# Altium PCB Power_Board.PcbDoc (part 3 of 3)
Units mm, origin at the board's own origin, x right, y up, seen from the top; angles counter-clockwise.
Board outline 100 x 100 mm, 4 copper layers (Top Layer, Signal Layer 1, Signal Layer 2, Bottom Layer), stack 1.551 mm thick; 455 components, 242 nets, 1337 pads, 0 vias.
Unrouted connection lines stored in the file: 1041.
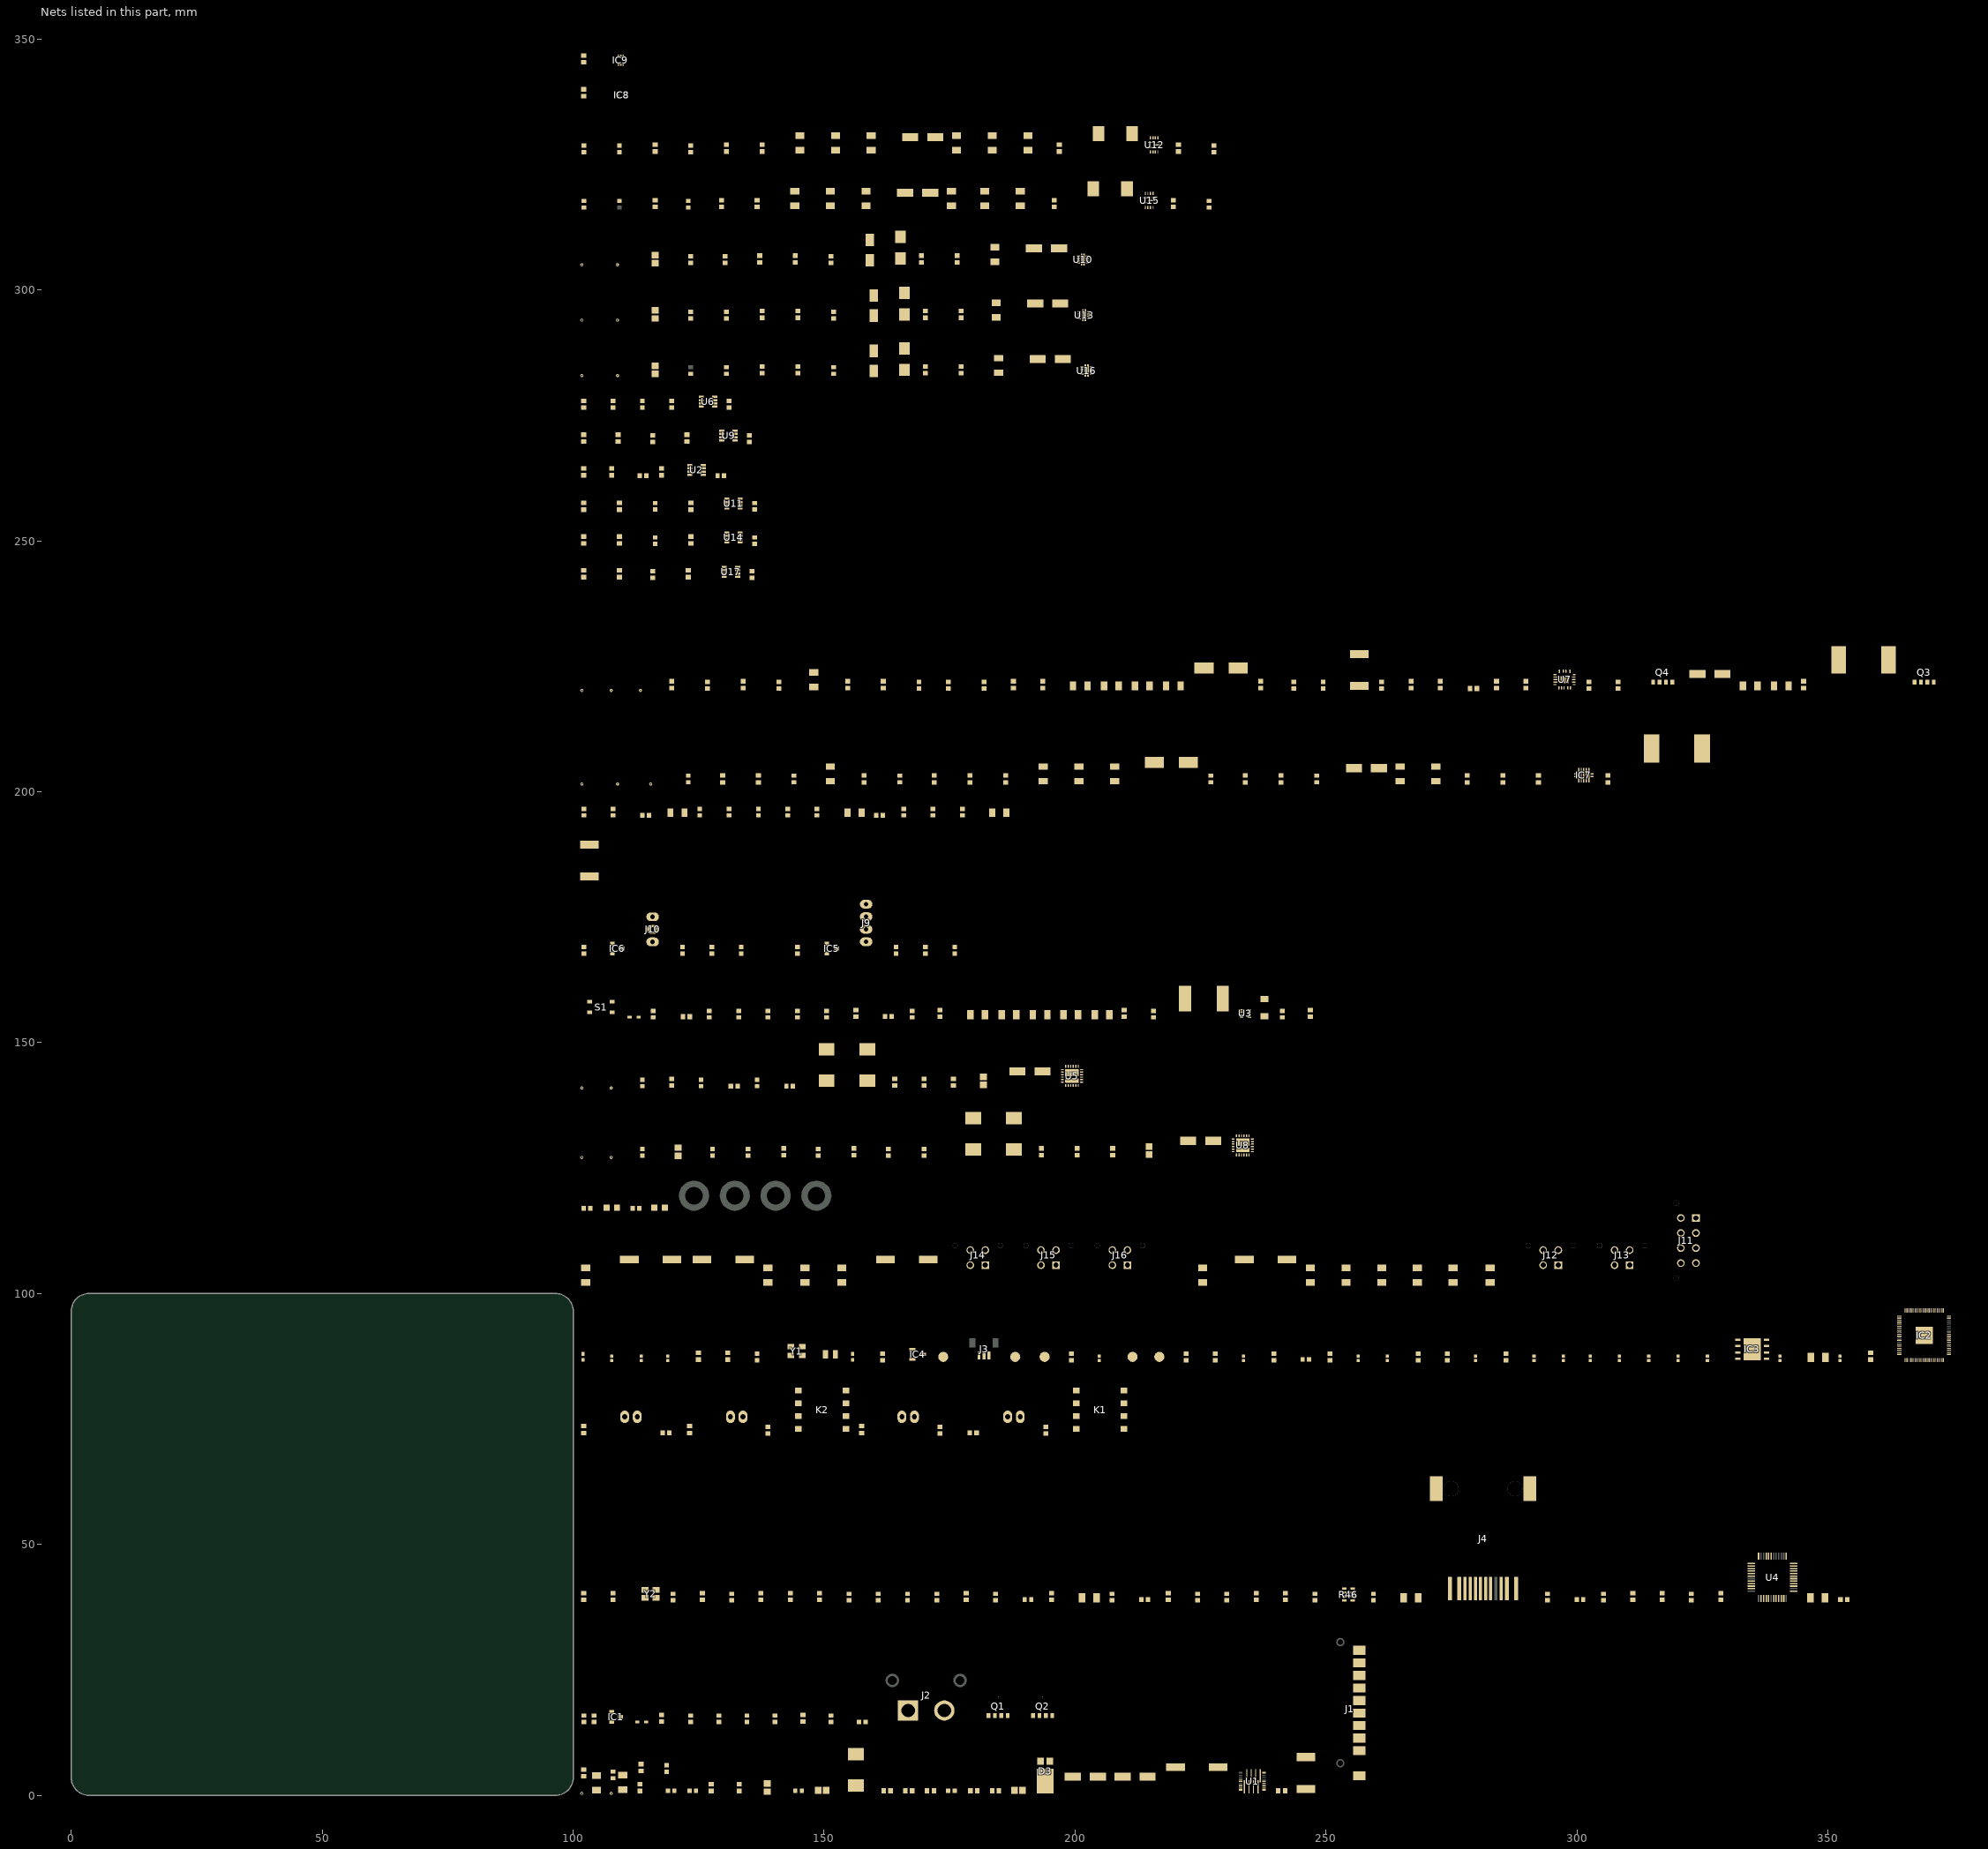
[diagram p3: the nets of this part, all layers, seen from the top]

## Nets (pads, with @x,y where several pads share a name; then routed paths per layer and width w, separated by ;. In a path a pad name is that pad's centre, name@x,y a point inside that pad or via, vN(x,y) a via of type N, cw(c..) or ccw(c..) an arc to the next point about the centre after c; other vN are vias at no path point) (continued)
3V3_VIO.VPG: IC2.13 R136.2 U15.3
3V3PO: C185.2 C186.1 D16.1 R91.2 R140.1 U16.6
3V3RO: C176.2 C177.2 C178.2 C179.2 C180.1 C183.2 C184.2 D15.2 L6.2 R90.1 R138.2 U16.5
3V3S_MEAS: C30.1 D6.2 IC2.52 R26.2
5V_VIO.FSPG: IC2.11 R130.2 U13.3
5V_VIO.VEN: IC2.8 R126.1 U12.11
5V_VIO.VPG: IC2.9 R127.2 U12.3
5VPO: C163.2 C164.1 D14.1 R85.2 R131.1 U13.6
5VRO: C154.2 C155.2 C156.2 C157.2 C158.1 C161.2 C162.2 D13.2 L5.2 R84.2 R129.2 U13.5
12V_VIO.FSPG: IC2.7 R121.2 U10.3
12V_VIO.VEN: IC2.6 IC7.4 R118.1
12VPO: C141.2 C142.1 D12.1 R80.2 R122.1 U10.6
12VRO: C127.2 C128.2 C129.2 C130.2 C131.2 C132.2 C133.1 C134.2 C139.2 C140.2 D11.2 IC7.9 R115.2 R120.2 U10.5
+3V3: C17.2 C18.1 C25.1 C26.2 C27.2 C28.2 C31.2 C32.1 C33.2 C34.2 C35.2 C36.2 C37.2 C38.2 C39.2 C40.2 C41.2 C42.2 C52.2 C54.1 C84.2 C85.1 C117.2 C118.1 C147.2 C148.1 C169.2 C170.1 C191.2 C192.1 C193.1 C194.1 FB1.1 IC2.5 IC2.15 IC2.24 IC2.29 IC2.41 IC2.50 IC2.60 IC2.64 IC2.68 IC2.69 IC2.76 IC3.8 IC5.2 IC6.2 IC8.4 IC8.5 IC9.5 J4.1 J4.12 L1.2 R20.2 R24.1 R27.1 R28.1 R29.1 R30.1 R32.1 R34.1 R35.1 R37.2 R38.2 R53.1 R54.2 R55.1 R63.1 R64.2 R68.1 R69.2 R74.1 R89.1 R106.1 R121.1 R127.1 R130.1 R136.1 R139.1 U2.4 U4.28 U6.4 U6.7 U9.4 U11.4 U11.7 U14.4 U17.4
+3V3A_ETH: C56.2 C57.1 C59.1 C62.1 C63.1 C65.1 C66.1 FB1.2 R41.2 R42.2 R43.2 U4.4 U4.8 U4.11 U4.15 U4.17 U4.21
+3V3R: C196.2 C199.2 C201.2 J11.4 J12.4 J13.4 R91.1 R141.1
+5VR: C197.2 C200.2 C202.2 J11.8 J12.3 J13.3 R85.1 R132.1
+12VR: C208.2 C209.2 J15.3 J15.4 R80.1 R123.1
ACT_LED: R49.2 U4.27
ADC_VREF: C48.2 C49.2 IC2.59 IC4.1 R37.1
BATT_BTN.BTN: C74.1 IC2.19 R64.1 R66.1
BATT_BTN.LED: IC2.20 R63.2 R65.2
BATT_BTN_AD: J9.1 R67.2
BATT_PRES: J1.4 J9.3 JP1.2
BCHG: C19.1 J2.2 Q1.3 R10.1
BCHG_MEAS: C20.1 D5.2 IC2.49 R12.2
BEFS_EN: IC2.79 R5.1 U1.18
BVBAT: C1.1 J1.8 J1.9 J1.10 R3.2 R8.1
CHG_EN: IC2.80 R16.2 R17.2
DBG_UART_RX: IC2.78 TP4.1
DBG_UART_TX: IC2.77 TP2.1
DVDD_1V1: C43.2 C44.2 C45.2 C47.2 IC2.10 IC2.32 IC2.51 IC2.65 L2.1
EN_PROT_3V3: C189.2 R92.2 R138.1 U16.1
EN_PROT_5V: C167.2 R86.1 R129.1 U13.1
EN_PROT_12V: C145.2 R81.1 R120.1 U10.1
FBUR_VREG_3V3: C176.1 R90.2 R134.2 U15.4
FBUR_VREG_5V: C154.1 R84.1 R125.2 U12.4
FLT_LED: IC2.18 R2.1
FS_GFLT: IC2.16 R89.2 U10.4 U13.4 U16.4
GND: C1.2 C8.2 C9.2 C10.2 C17.1 C18.2 C19.2 C20.2 C22.1 C23.1 C24.2 C25.2 C26.1 C27.1 C28.1 C29.1 C30.2 C31.1 C32.2 C33.1 C34.1 C35.1 C36.1 C37.1 C38.1 C39.1 C40.1 C41.1 C42.1 C43.1 C44.1 C45.1 C46.1 C47.1 C48.1 C49.1 C50.1 C51.1 C52.1 C53.2 C54.2 C55.2 C56.1 C57.2 C59.2 C61.1 C62.2 C63.2 C64.2 C65.2 C66.2 C67.1 C68.1 C69.1 C74.2 C75.2 C80.2 C84.1 C85.2 C86.2 C87.1 C88.1 C89.1 C90.1 C93.2 C95.1 C96.1 C97.1 C98.1 C99.1 C100.1 C101.2 C112.2 C117.1 C118.2 C120.2 C121.1 C122.1 C123.1 C124.1 C125.1 C127.1 C128.1 C129.1 C130.1 C131.1 C132.1 C133.2 C142.2 C147.1 C148.2 C150.1 C151.1 C152.1 C153.1 C155.1 C156.1 C157.1 C158.2 C159.1 C160.1 C164.2 C169.1 C170.2 C172.1 C173.1 C174.1 C175.1 C177.1 C178.1 C179.1 C180.2 C181.1 C182.1 C186.2 C191.1 C192.2 C193.2 C194.2 C195.1 C196.1 C197.1 C198.1 C199.1 C200.1 C201.1 C202.1 C203.1 C204.2 C205.1 C206.2 C207.2 C208.1 C209.1 C210.1 C211.2 D1.2 D2.2 D3.2 D4.1 D5.1 D6.1 D7.1 D8.1 D9.1 D10.1 D11.1 D12.2 D13.1 D14.2 D15.1 D16.2 IC1.2 IC2.62 IC2.81 IC3.4 IC3.9 IC4.2 IC4.3 IC7.7 IC8.2 IC9.2 IC9.4 J1.1 J1.2 J1.3 J2.1 J3.2 J9.4 J10.3 J11.3 J11.6 J11.7 J12.2 J13.2 J14.1 J14.2 J15.1 J15.2 J16.1 J16.2 JP1.1 K1.2 K1.4 K2.2 K2.4 NT1.1 NT2.1 NT3.1 NT4.1 NT5.1 NT6.1 NT7.1 NT8.1 NT9.1 NT10.1 NT11.1 NT12.1 NT13.1 NT14.1 NT15.1 NT16.1 NT17.1 NT18.1 Q4.1 R11.2 R17.1 R21.1 R22.1 R23.1 R25.2 R56.2 R57.1 R125.1 R126.2 R134.1 R135.2 S1.2 TP5.1 U2.3 U2.7 U3.4 U4.3 U4.9 U4.14 U4.16 U4.19 U4.29 U4.48 U6.3 U7.9 U7.24 U9.3 U9.7 U11.3 U12.2 U12.10 U12.12 U14.3 U15.2 U15.10 U15.12 U17.3 Y1.2 Y1.4 Y2.2 Y2.4
GND_ETH: C61.2 J4.10 J4.13
IEN_PROT_3V3: R92.1 R93.2 U16.2
IEN_PROT_5V: R86.2 R87.1 U13.2
IEN_PROT_12V: R81.2 R82.1 U10.2
ILM_PROT_3V3: R94.1 U16.9
ILM_PROT_5V: R88.1 U13.9
ILM_PROT_12V: R83.2 U10.9
INT: IC2.39 R54.1 U4.36
LINK_LED: R45.2 U4.25
MDI_JRX_N: C60.1 R50.2 R52.2
MDI_JRX_P: C58.2 R48.2 R51.2
MDI_JTX_N: J4.4 R42.1 R47.2
MDI_JTX_P: J4.3 R43.1 R44.2
MDI_RX_N: R50.1 U4.5
MDI_RX_P: R48.1 U4.6
MDI_TX_N: R47.1 U4.1
MDI_TX_P: R44.1 U4.2
NetC11_2: C11.2 R4.1 U1.22
NetC12_2: C12.2 U1.4
NetC13_2: C13.2 R7.2 U1.7
NetC14_2: C14.2 U1.5
NetC15_2: C15.2 U1.9
NetC16_1: C16.1 R8.2 U2.1
NetC16_2: C16.2 R9.2 U2.2
NetC21_1: C21.1 R18.1
NetC21_2: C21.2 L1.1 U3.5
NetC22_2: C22.2 C23.2 C24.1 F1.2 R19.2 U3.3
NetC29_2: C29.2 U3.7
NetC51_2: C51.2 R40.1 Y1.3
NetC53_1: C53.1 J4.5 R41.1
NetC55_1: C55.1 U4.22
NetC58_1: C58.1 J4.7
NetC60_2: C60.2 J4.8
NetC64_1: C64.1 J4.6 R51.1 R52.1
NetC67_2: C67.2 U4.20
NetC70_1: C70.1 J5.2 K1.8
NetC70_2: C70.2 J5.1 K1.7
NetC71_1: C71.1 J6.2 K1.6
NetC71_2: C71.2 J6.1 K1.5
NetC72_1: C72.1 J7.2 K2.8
NetC72_2: C72.2 J7.1 K2.7
NetC73_1: C73.1 J8.2 K2.6
NetC73_2: C73.2 J8.1 K2.5
NetC81_2: C81.2 U5.7
NetC82_2: C82.2 U5.15
NetC83_1: C83.1 R78.2 U6.1
NetC83_2: C83.2 R79.2 U6.2
NetC91_2: C91.2 U7.22
NetC94_2: C94.2 U7.20
NetC103_2: C103.2 U7.7
NetC104_2: C104.2 C105.2 U7.19
NetC106_2: C106.2 R104.2 U7.18
NetC107_2: C107.2 R104.1
NetC113_2: C113.2 U8.7
NetC114_2: C114.2 U8.15
NetC116_1: C116.1 R112.2 U9.1
NetC116_2: C116.2 R113.2 U9.2
NetC119_1: C119.1 IC7.6 L4.1
NetC119_2: C119.2 IC7.15
NetC126_1: C126.1 IC7.8 L4.2
NetC126_2: C126.2 IC7.14
NetC135_2: C135.2 C136.2 IC7.13
NetC137_2: C137.2 IC7.11 R116.2
NetC138_2: C138.2 R116.1
NetC143_2: C143.2 U10.10
NetC144_2: C144.2 R119.2
NetC146_1: C146.1 R122.2 U11.1
NetC146_2: C146.2 R123.2 U11.2
NetC149_1: C149.1 L5.1 U12.7
NetC149_2: C149.2 R124.2
NetC159_2: C159.2 U12.9
NetC160_2: C160.2 U12.5
NetC165_2: C165.2 U13.10
NetC166_2: C166.2 R128.2
NetC168_1: C168.1 R131.2 U14.1
NetC168_2: C168.2 R132.2 U14.2
NetC171_1: C171.1 L6.1 U15.7
NetC171_2: C171.2 R133.2
NetC181_2: C181.2 U15.9
NetC182_2: C182.2 U15.5
NetC187_2: C187.2 U16.10
NetC188_2: C188.2 R137.2
NetC190_1: C190.1 R140.2 U17.1
NetC190_2: C190.2 R141.2 U17.2
NetD1_1: D1.1 R1.2
NetD2_1: D2.1 R2.2
NetIC1_1: IC1.1 R16.1
NetIC1_3: IC1.3 R13.1 R14.1 R15.1
NetIC2_66: IC2.66 R31.2
NetIC2_67: IC2.67 R33.2
NetIC5_1: IC5.1 R65.1
NetIC5_3: IC5.3 R67.1
NetIC6_1: IC6.1 R70.1
NetIC6_3: IC6.3 R72.1
NetIC7_1: IC7.1 R114.2
NetJ3_1: J3.1 R36.2
NetJ3_3: J3.3 R39.2
NetJ4_2: J4.2 R49.1
NetJ4_11: J4.11 R45.1
NetJ9_2: J9.2 R66.2
NetJ10_2: J10.2 R71.2
NetK1_1: K1.1 R59.2
NetK1_3: K1.3 R60.2
NetK2_1: K2.1 R61.2
NetK2_3: K2.3 R62.2
NetQ1_1: Q1.1 Q2.1 R14.2
NetQ1_2: Q1.2 R13.2
NetQ2_2: Q2.2 R15.2
NetQ3_2: Q3.2 R95.2
NetQ4_2: Q4.2 R96.2
NetR6_2: R6.2 U1.8
NetR10_2: R10.2 R11.1 R12.1
NetR18_2: R18.2 U3.6
NetR19_1: R19.1 R21.2 U3.2
NetR20_1: R20.1 R23.2 U3.8
NetR22_2: R22.2 U3.1
NetR24_2: R24.2 R25.1 R26.1
NetR46_5: R46.5 U4.35
NetR46_6: R46.6 U4.34
NetR46_7: R46.7 U4.33
NetR46_8: R46.8 U4.32
NetR53_2: R53.2 U4.43 U4.44 U4.45
NetR56_1: R56.1 U4.23
NetR57_2: R57.2 U4.10
NetR75_2: R75.2 U5.9
NetR76_2: R76.2 U5.8
NetR95_1: R95.1 U7.2
NetR96_1: R96.1 U7.1
NetR98_1: R98.1 U7.15
NetR102_2: R102.2 U7.8
NetR103_2: R103.2 U7.16
NetR105_2: R105.2 U7.17
NetR107_2: R107.2 U8.9
NetR108_2: R108.2 U8.8
NetR119_1: R119.1 U10.7
NetR124_1: R124.1 U12.8
NetR128_1: R128.1 U13.7
NetR133_1: R133.1 U15.8
NetR137_1: R137.1 U16.7
QSPI_CS: IC2.75 IC3.1
QSPI_SCLK: IC2.71 IC3.6
QSPI_SD0: IC2.72 IC3.5
QSPI_SD1: IC2.74 IC3.2
QSPI_SD2: IC2.73 IC3.3
QSPI_SD3: IC2.70 IC3.7
RESET: IC2.35 R27.2 S1.1
RST: IC2.38 R55.2 U4.37
SBC_VIO.FSPG: IC2.4 R106.2 U8.13
SBC_VIO.VEN: IC2.3 R97.1 U7.4
SEFS_EN: C115.2 R109.1 R110.2 U8.6
SEFS_IEN: R110.1 R111.2 U8.12
SGND_HPIN: C2.1 C3.1 C4.2 C5.2 C6.1 C7.1 C11.1 C12.1 C13.1 C14.1 C15.1 NT1.2 NT2.2 R5.2 R6.1 R7.1 U1.14
SGND_HPSBC: C108.1 C109.2 C110.1 C111.1 C113.1 C114.1 C115.1 NT8.2 NT9.2 R107.1 R108.1 R111.1 U8.4 U8.5 U8.10 U8.11 U8.14 U8.26
SGND_HPVB: C76.1 C77.2 C78.1 C79.1 C81.1 C82.1 NT3.2 NT4.2 R75.1 R76.1 R77.1 U5.4 U5.5 U5.10 U5.11 U5.12 U5.14 U5.26
SGND_LP_PROT_3V3: C183.1 C184.1 C185.1 C187.1 C188.1 C189.1 NT17.2 NT18.2 R93.1 R94.2 U16.8
SGND_LP_PROT_5V: C161.1 C162.1 C163.1 C165.1 C166.1 C167.1 NT15.2 NT16.2 R87.2 R88.2 U13.8
SGND_LP_PROT_12V: C139.1 C140.1 C141.1 C143.1 C144.1 C145.1 NT13.2 NT14.2 R82.2 R83.1 U10.8
SGND_VRLV: C135.1 C136.1 C137.1 C138.1 IC7.12 NT10.2 NT11.2 NT12.2 R114.1 R117.1 R118.2
SGND_VRSBC: C103.1 C104.1 C105.1 C106.1 C107.1 NT5.2 NT6.2 NT7.2 R97.2 R98.2 R101.1 R102.1 R103.1 R105.1 U7.10
SMB0.ALERT: IC2.36 J1.7 R30.2 U1.17 U2.8 U6.8
SMB0.SCL: IC2.46 J1.5 R29.2 U1.16 U2.5 U6.5
SMB0.SDA: IC2.45 J1.6 R28.2 U1.15 U2.6 U6.6
SMB1.ALERT: IC2.37 IC8.3 IC9.3 R35.2 U9.8 U11.8 U14.8 U17.8
SMB1.SCL: IC2.48 IC7.2 IC8.1 IC9.1 R34.2 U7.5 U9.5 U11.5 U14.5 U17.5 U17.7
SMB1.SDA: IC2.47 IC7.3 IC8.6 IC9.6 R32.2 U7.6 U9.6 U11.6 U14.6 U14.7 U17.6
SPI.CLK: IC2.43 R46.2
SPI.CS: IC2.42 R46.1
SPI.MRX: IC2.40 R46.3
SPI.MTX: IC2.44 R46.4
SSR1: IC2.25 R59.1
SSR2: IC2.26 R60.1
SSR3: IC2.27 R61.1
SSR4: IC2.28 R62.1
SW1: C91.1 L3.1 Q3.1 Q4.3 U7.23
SW2: C94.1 L3.2 U7.21 U7.25
SWD_CLK: IC2.33 R36.1
SWD_IO: IC2.34 R39.1
SYSOK_LED: IC2.17 R1.1
USB_DIFF_N: R31.1 TP3.1
USB_DIFF_P: R33.1 TP1.1
USR_BTN.BTN: C75.1 IC2.21 R69.1 R71.1
USR_BTN.LED: IC2.22 R68.2 R70.2
USR_BTN_AD: J10.1 R72.2
VBAT: C2.2 C3.2 C4.1 D4.2 F1.1 Q2.3 R3.1 R4.2 R9.1 U1.23 U1.24 U1.25 U1.26
VBAT_OUT: C195.2 C198.2 C203.2 C204.1 C210.2 C211.1 J11.1 J11.2 J11.5 J12.1 J13.1 J16.3 J16.4 R73.1 R79.1
VBATPO: C78.2 C79.2 C80.1 D8.2 R73.2 R78.1 U5.17 U5.18 U5.19 U5.20 U5.21 U5.22 U5.23 U5.24
VBE_IO.FSEN: IC2.1 R77.2 U5.6
VBE_IO.FSPG: IC2.2 R74.2 U5.13
VFBAT: C5.1 C6.2 C7.2 C8.1 C9.1 C10.1 C76.2 C77.1 C86.1 C87.2 C88.2 C89.2 C90.2 C93.1 C120.1 C121.2 C122.2 C123.2 C124.2 C125.2 C150.2 C151.2 C152.2 C153.2 C172.2 C173.2 C174.2 C175.2 D3.1 D7.2 IC7.5 Q3.3 U1.10 U1.11 U1.12 U1.13 U5.1 U5.2 U5.3 U5.16 U5.25 U7.3 U12.1 U15.1
VL_VFB: C134.1 IC7.10 R115.1 R117.2
VREG_AVDD: C50.2 IC2.61 R38.1
VREG_LX: IC2.63 L2.2
VS_FB: C102.1 R100.1 R101.2 U7.14
VS_ISP: C92.1 C95.2 C96.2 C97.2 C98.2 C99.2 C100.2 C101.1 R99.1 R112.1 U7.11 U7.12 U7.26
VSBC: C110.2 C111.2 C112.1 C205.2 C206.1 C207.1 D10.2 J14.3 J14.4 U8.17 U8.18 U8.19 U8.20 U8.21 U8.22 U8.23 U8.24
VSBCRO: C92.2 C102.2 C108.2 C109.1 D9.2 R99.2 R100.2 R109.2 R113.1 U7.13 U8.1 U8.2 U8.3 U8.16 U8.25
XT_IN: C69.2 R58.2 U4.30 Y2.3
XT_OUT: C68.2 R58.1 U4.31 Y2.1
XTAL_IN: C46.2 IC2.30 Y1.1
XTAL_OUT: IC2.31 R40.2
pads on no net: IC2.23 IC2.53 IC2.54 IC2.55 IC2.56 IC2.57 IC2.58 J1.11 J1.12 J2.3 J3.M J4. J4.9 J11.9 J11.10 J12.5 J12.6 J13.5 J13.6 J14.5 J14.6 J15.5 J15.6 J16.5 J16.6 MHL1.1 MHL2.1 MHL3.1 MHL4.1 U1.1 U1.2 U1.3 U1.6 U1.19 U1.20 U1.21 U4.7 U4.12 U4.13 U4.18 U4.24 U4.26 U4.38 U4.39 U4.40 U4.41 U4.42 U4.46 U4.47 U12.6 U15.6

## Other copper
Top Layer:
  region net VFBAT: 366.414,223.778 366.904,223.778 366.909,223.783 366.909,223.353 371.469,223.353 371.469,223.783 371.474,223.778 371.964,223.778 371.964,224.688 371.474,224.688 371.469,224.683 371.469,227.886 370.719,227.886 370.719,227.411 367.659,227.411 367.659,227.886 366.909,227.886 366.909,224.683 366.904,224.688 366.414,224.688
  region net SW1: 314.344,223.778 314.834,223.778 314.839,223.783 314.839,223.353 319.399,223.353 319.399,223.783 319.404,223.778 319.894,223.778 319.894,224.688 319.404,224.688 319.399,224.683 319.399,227.886 318.649,227.886 318.649,227.411 315.589,227.411 315.589,227.886 314.839,227.886 314.839,224.683 314.834,224.688 314.344,224.688
  region net NetR96_1: 295.361,223.802 295.361,223.927 cw(c295.411,223.927) 295.411,223.977 295.686,223.977 ccw(c295.686,224.027) 295.736,224.027 295.736,224.277 cw(c295.786,224.277) 295.786,224.327 296.086,224.327 cw(c296.086,224.277) 296.136,224.277 296.136,223.802 cw(c296.086,223.802) 296.086,223.752 295.411,223.752 cw(c295.411,223.802)
  region net VSBCRO: 299.061,220.477 ccw(c299.111,220.477) 299.111,220.427 299.361,220.427 ccw(c299.361,220.477) 299.411,220.477 299.411,220.727 cw(c299.461,220.727) 299.461,220.777 299.711,220.777 ccw(c299.711,220.827) 299.761,220.827 299.761,220.952 ccw(c299.711,220.952) 299.711,221.002 299.111,221.002 ccw(c299.111,220.952) 299.061,220.952
  region net NetC104_2: 298.986,223.802 298.986,224.277 cw(c299.036,224.277) 299.036,224.327 299.336,224.327 cw(c299.336,224.277) 299.386,224.277 299.386,224.027 ccw(c299.436,224.027) 299.436,223.977 299.711,223.977 cw(c299.711,223.927) 299.761,223.927 299.761,223.802 cw(c299.711,223.802) 299.711,223.752 299.036,223.752 cw(c299.036,223.802)
  region net NetC103_2: 295.411,220.777 cw(c295.411,220.827) 295.361,220.827 295.361,220.952 cw(c295.411,220.952) 295.411,221.002 296.011,221.002 cw(c296.011,220.952) 296.061,220.952 296.061,220.477 cw(c296.011,220.477) 296.011,220.427 295.761,220.427 cw(c295.761,220.477) 295.711,220.477 295.711,220.727 ccw(c295.661,220.727) 295.661,220.777
  region net NetC135_2: 302.733,203.952 302.733,204.777 302.959,204.777 302.959,204.402 303.308,204.402 303.308,203.952
  region net VL_VFB: 303.308,202.702 303.308,202.252 302.959,202.252 302.959,201.877 302.733,201.877 302.733,202.702
  region net NetIC7_1: 299.434,203.952 299.434,204.402 299.784,204.402 299.784,204.777 300.009,204.777 300.009,203.952
  region net 12V_VIO.VEN: 300.009,202.702 300.009,201.877 299.784,201.877 299.784,202.252 299.434,202.252 299.434,202.702
  region net BATT_PRES: 139.966,167.36 139.966,168.936 cw(c139.827,168.148)
  region net GND: 139.688,167.36 cw(c139.827,168.148) 139.688,168.936
  region net VBAT: 190.773,17.784 191.263,17.784 191.268,17.789 191.268,17.359 195.828,17.359 195.828,17.789 195.833,17.784 196.323,17.784 196.323,18.694 195.833,18.694 195.828,18.689 195.828,21.892 195.078,21.892 195.078,21.417 192.018,21.417 192.018,21.892 191.268,21.892 191.268,18.689 191.263,18.694 190.773,18.694
  region net BCHG: 181.883,17.784 182.373,17.784 182.378,17.789 182.378,17.359 186.938,17.359 186.938,17.789 186.943,17.784 187.433,17.784 187.433,18.694 186.943,18.694 186.938,18.689 186.938,21.892 186.188,21.892 186.188,21.417 183.128,21.417 183.128,21.892 182.378,21.892 182.378,18.689 182.373,18.694 181.883,18.694

## Silkscreen, mask and mechanical layers (free items; w line width, h text height)
Mechanical 1:
  the board outline again, w0.254